# Altium PCB ST-Link-V2.1.PcbDoc
Units mil, origin at the board's own origin, x right, y up, seen from the top; angles counter-clockwise.
Board outline 1574.8 x 590.55 mil, 2 copper layers (Top Layer, Bottom Layer), stack 21 mil thick; 47 components, 38 nets, 178 pads, 68 vias.
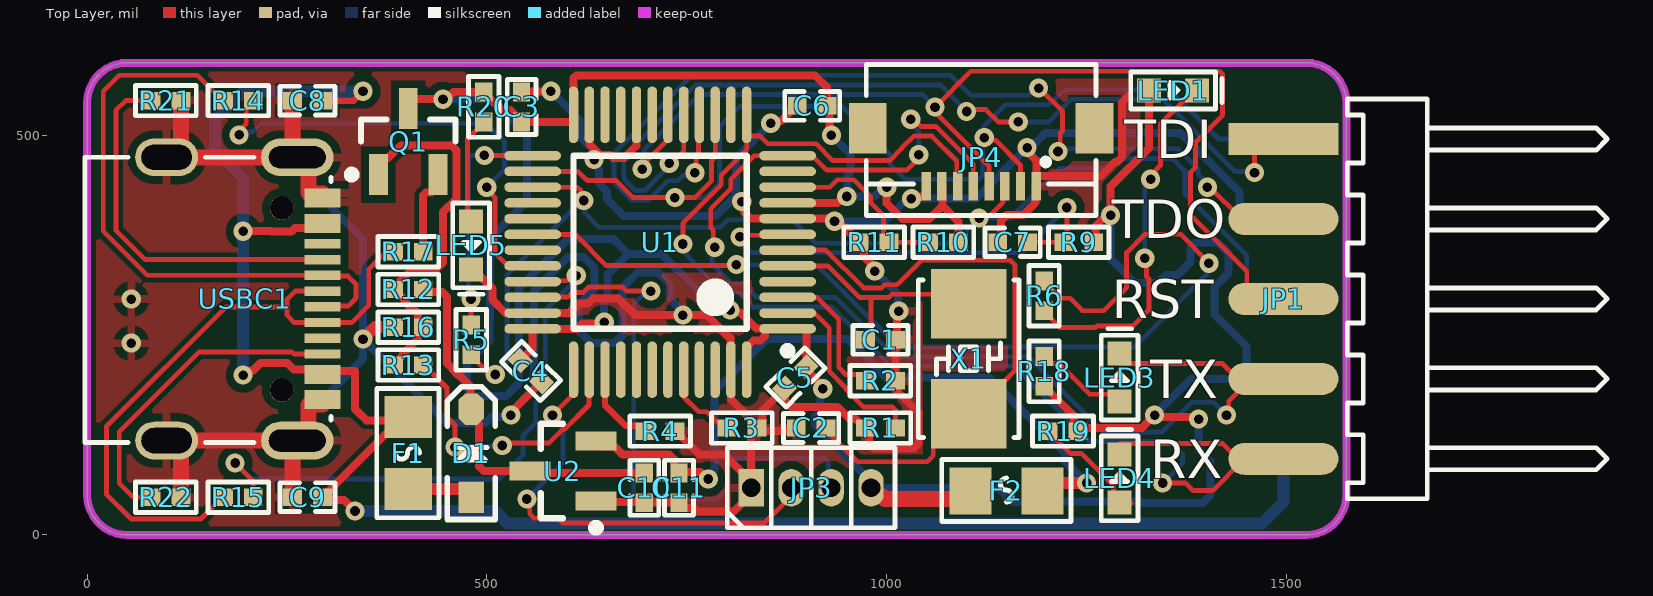
[diagram p0: Top Layer view]
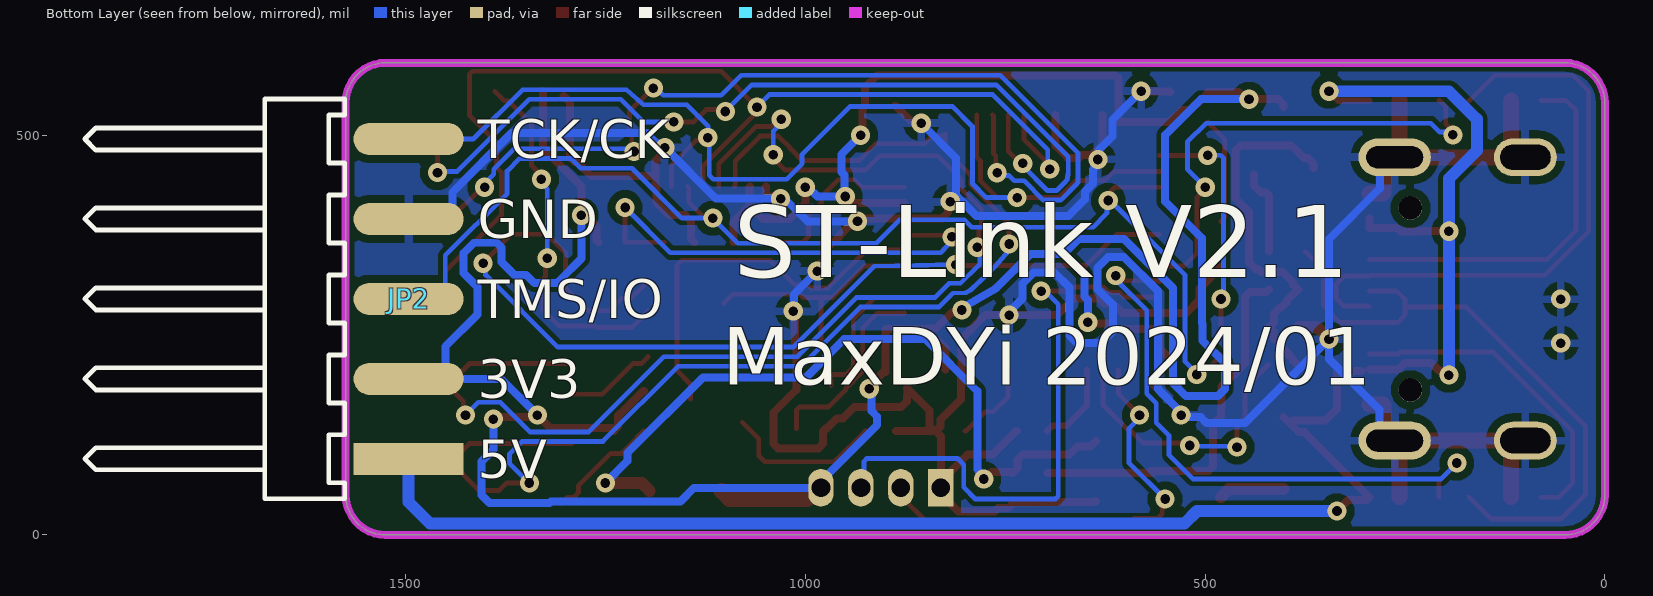
[diagram p1: Bottom Layer view, seen from below]

## Layer stack, top to bottom
Top Solder: solder mask 0.4, Solder Resist, Dk 3.5
Top Layer: signal copper 1.4
Dielectric 2: prepreg 2.8, PP-006, Dk 4.1
Dielectric 1: dielectric 12.6, FR-4, Dk 4.8
Dielectric 3: prepreg 2.8, PP-006, Dk 4.1
Bottom Layer: signal copper 1.4
Bottom Solder: solder mask 0.4, Solder Resist, Dk 3.5

## Board outline
0,50 0,540.55 cw(c50,540.55) 50,590.55 1524.8,590.55 cw(c1524.8,540.55) 1574.8,540.55 1574.8,50 cw(c1524.8,50) 1524.8,0 50,0 cw(c50,50)

## Design rules (kind name [scope] priority, off if disabled: settings)
Clearance [All] p1: gap=10 ignorepadtopadclearanceinfootprint=FALSE except(0: SMDPad-Hole THPad-Hole Via-Hole Fill-Hole Poly-Hole Region-Hole Text-Hole; 6: Arc-Arc Arc-Track Arc-SMDPad Arc-THPad Arc-Via Arc-Fill Arc-Poly Arc-Region Arc-Text Arc-Hole Track-Track Track-SMDPad Track-THPad Track-Via Track-Fill Track-Poly Track-Region Track-Text Track-Hole SMDPad-SMDPad)
MinimumSolderMaskSliver [All] p1: minsoldermaskwidth=3
PolygonConnect [All] p1: connectstyle=Relief reliefconductorwidth=10 reliefentries=4 polygonreliefangle="90 Angle" airgapwidth=10
RoutingVias [All] p1: holewidth=28 width=50 viastyle="Through Hole" minholewidth=28 minwidth=50 maxholewidth=28 maxwidth=50
SilkToSilkClearance [All] p1: silktosilkclearance=5.91
SilkToSolderMaskClearance [IsPad] p1: minsilkscreentomaskgap=0.9 clearancetoexposedcopper=TRUE
SolderMaskExpansion [All] p1: expansion=4 istentingtop=FALSE
Width [All] p1: maxlimit=30 minlimit=6 preferedwidth=6 minimp=50.000000 maximp=50.000000 favimp=50.000000
27 further rules are at their usual default settings.

## Components (designator, comment, footprint, x,y, rotation, side; value= is the part's Value field where it differs from the comment)
C1 "20pF" C0402_M 992.13,244.09 r180 top
C2 "20pF" C0402_M 905.51,133.86 r0 top
C3 "100nF" C0402_M 543.31,535.43 r270 top
C4 "100nF" C0402_M 555,205 r135 top
C5 "100nF" C0402_M 885.83,196.85 r45 top
C6 "100nF" C0402_M 906.78,536.78 r0 top
C7 "100nF" C0402_M 1157.48,366.14 r0 top
C8 "100nF" C0402_M 275.59,543.31 r180 top
C9 "100nF" C0402_M 275.59,47.24 r180 top
C10 "1uF" C0402_M 696.85,59.06 r90 top
C11 "1uF" C0402_M 740.16,59.06 r90 top
D1 "1N5819" SOD-323 480.31,102.36 r90 top
F1 "6V 100mA" F0805 401.57,102.36 r90 top
F2 "6V 100mA" F0805 1149.61,55.12 r0 top
JP1 "HDR-1X5" HDR2.54-WS-5P 1496.06,295.28 r270 top
JP2 "HDR-1X5" HDR2.54-WS-5P 1496.06,295.28 r90 bottom
JP3 "HDR-1X4" HDR1.27-LI-4P 905.51,59.06 r0 top
JP4 "CON-8P" FPC0.5-WT-8P-双侧触点 1118.11,472.44 r180 top locked
LED1 "RED" LED0603_R 1358.27,555.91 r0 top
LED3 "GREEN" LED0603_G 1291.34,196.85 r90 top
LED4 "BLUE" LED0603_B 1291.34,70.87 r90 top
LED5 "RED" LED0603_R 480.31,362.2 r270 top
Q1 "S9013" SOT23-3N 401.57,492.13 r90 top
R1 "10K" R0402_M 992.13,133.86 r0 top
R2 "10K" R0402_M 992.13,192.91 r180 top
R3 "10K" R0402_M 818.9,133.86 r0 top
R4 "4K7" R0402_M 716.54,129.92 r0 top
R5 "100R" R0402_M 480.31,244.09 r90 top
R6 "1K" R0402_M 1196.85,299.21 r270 top
R9 "100K" R0402_M 1240.16,366.14 r0 top
R10 "4K7" R0402_M 1070.87,366.14 r0 top
R11 "4K7" R0402_M 984.25,366.14 r0 top
R12 "10K" R0402_M 401.57,307.09 r0 top
R13 "100R" R0402_M 401.57,212.6 r180 top
R14 "10R" R0402_M 188.98,543.31 r0 top
R15 "10R" R0402_M 188.98,47.24 r0 top
R16 "10K" R0402_M 401.57,259.84 r0 top
R17 "1K5" R0402_M 401.57,354.33 r0 top
R18 "1K" R0402_M 1196.85,204.72 r270 top
R19 "1K" R0402_M 1220.47,129.92 r0 top
R20 "1K" R0402_M 496.06,535.43 r90 top
R21 "5.1K" R0402_M 98.43,543.31 r180 top
R22 "5.1K" R0402_M 98.43,47.24 r180 top
U1 "STM32F103CBT6" STM-LQFP48_N 716.54,366.14 r180 top locked
U2 "XC6206P332MR" SOT23-3N 595,80 r180 top
USBC1 "TYPE-C 2.0 -16P" USB-C-SMD_16P 196.85,295.28 r90 top locked
X1 "8MHz" OSC-5032-2P 1102.36,220.47 r270 top

## Footprints (in the part's own frame and the unit in brackets; to place one, negate y for a bottom-side part, rotate by r counter-clockwise, add the part's x,y. Pads: shape width x height; smd on the part's side, far side on the other; paste and mask are expansions set on the pad)
C0402_M [mm] "贴片MLCC电容"
  rect 0.6x0.55 smd: 1(-0.475,0) 2(0.475,0)
  silkscreen extent -0.87,-0.46 0.87,0.46, body extent -0.5,-0.25 0.5,0.25, height 0.5
F0805 [mm] "0805贴片自恢复保险丝(PPTC)   联系卖家 免费查找封装"
  rect 1.335x1.5 smd: 1(-1.142,0) 2(1.142,0)
  silkscreen extent -2.05,-0.97 2.05,1, body extent -1.05,-0.7 1.05,0.7, height 0.8
FPC0.5-WT-8P-双侧触点 [mm] "翻盖式 双侧触点/上下接 编带"
  rect 0.3x0.9 smd paste+0 mask+0.05: 1(-1.75,0.925) 2(-1.25,0.925) 3(-0.75,0.925) 4(-0.25,0.925) 5(0.25,0.925) 6(0.75,0.925) 7(1.25,0.925) 8(1.75,0.925)
  rect 1.2x1.6 smd paste+0 mask+0.05: 9(3.6,-0.925) 10(-3.6,-0.925)
  silkscreen extent -3.65,-2.95 3.65,1.85, body extent -3.9,-2.95 3.9,1.85, height 1.26
HDR1.27-LI-4P [mm] "直插，脚距：1.27mm  封装库来自淘宝卖家 ID：黄晶宝石"
  rect 0.8x1.2 hole 0.6: 1(-1.905,0)
  oval 0.8x1.2 hole 0.6: 2(-0.635,0) 3(0.635,0) 4(1.905,0)
  silkscreen extent -2.67,-1.27 2.67,1.27, body extent -2.54,-1.2 2.54,1.2, height 4.48
HDR2.54-WS-5P [mm] "5P卧式贴片排针2.54"
  rect 1.02x3.5 smd: 1(-5.08,0)
  oval 1.02x3.5 smd: 2(-2.54,0) 3(0,0) 4(2.54,0) 5(5.08,0)
  silkscreen extent -6.35,2.03 6.35,10.29, body extent -6.35,-0.76 6.35,10.34, height 2.59
LED0603_B [mil] "蓝色0603LED"
  rect 30x30 smd: 1(-30,0) 2(30,0)
  silkscreen extent -53,-23 61,23, body extent -31,-16 32,16, height 18
LED0603_G [mil] "绿色0603LED"
  rect 30x30 smd: 1(-30,0) 2(30,0)
  silkscreen extent -53,-23 61,23, body extent -31,-16 31,16, height 18
LED0603_R [mil] "红色0603LED"
  rect 30x30 smd: 1(-30,0) 2(30,0)
  silkscreen extent -53,-23 61,23, body extent -31,-16 32,16, height 18
OSC-5032-2P [mm] "5mm*3.2mm*0.8mm(长*宽*高)"
  rect 2.2x2.4 smd: 1(-1.75,0) 2(1.75,0)
  silkscreen extent -2.5,-1.6 2.5,1.6, body extent -2.5,-1.6 2.5,1.6, height 0.86
R0402_M [mm] "1/16W贴片电阻"
  rect 0.6x0.55 smd: 1(-0.475,0) 2(0.475,0)
  silkscreen extent -0.97,-0.48 0.97,0.48, body extent -0.5,-0.25 0.5,0.25, height 0.3
SOD-323 [mm] "1.8x1.3X0.9mm（长宽高，不包括引脚）联系卖家 免费查找封装"
  rect 1x0.8 smd: 1(-1.4,0)
  oct 1x0.8 smd: 2(1.4,0)
  silkscreen extent -2.11,-0.76 2.11,0.76, body extent -1.32,-0.65 1.32,0.65, height 0.95
SOT23-3N [mm] "SOT23, 3-Leads, Body 2.9x1.3mm, Pitch 0.95mm, Lead Span 2.4mm, IPC Medium Density  联系卖家 免费查找封装"
  rect 1.3x0.6 smd: 1(-1.05,0.95) 2(-1.05,-0.95) 3(1.05,0)
  silkscreen extent -1.17,-1.5 0.7,1.92, body extent -1.2,-1.5 1.2,1.5, height 1.05
STM-LQFP48_N [mm] "QFP, 48-Leads, Body 7x7mm, Pitch 0.5mm, IPC Medium Density封装库来自淘宝 ID：黄晶宝石"
  oval 1.8x0.3 smd: 1(-4.05,2.75) 2(-4.05,2.25) 3(-4.05,1.75) 4(-4.05,1.25) 5(-4.05,0.75) 6(-4.05,0.25) 7(-4.05,-0.25) 8(-4.05,-0.75) 9(-4.05,-1.25) 10(-4.05,-1.75) 11(-4.05,-2.25) 12(-4.05,-2.75) 25(4.05,-2.75) 26(4.05,-2.25) 27(4.05,-1.75) 28(4.05,-1.25) 29(4.05,-0.75) 30(4.05,-0.25) 31(4.05,0.25) 32(4.05,0.75) 33(4.05,1.25) 34(4.05,1.75) 35(4.05,2.25) 36(4.05,2.75)
  oval 0.3x1.8 smd: 13(-2.75,-4.05) 14(-2.25,-4.05) 15(-1.75,-4.05) 16(-1.25,-4.05) 17(-0.75,-4.05) 18(-0.25,-4.05) 19(0.25,-4.05) 20(0.75,-4.05) 21(1.25,-4.05) 22(1.75,-4.05) 23(2.25,-4.05) 24(2.75,-4.05) 37(2.75,4.05) 38(2.25,4.05) 39(1.75,4.05) 40(1.25,4.05) 41(0.75,4.05) 42(0.25,4.05) 43(-0.25,4.05) 44(-0.75,4.05) 45(-1.25,4.05) 46(-1.75,4.05) 47(-2.25,4.05) 48(-2.75,4.05)
  silkscreen extent -4.18,-2.75 2.75,3.57, body extent -4.5,-4.5 4.5,4.5, height 1.45
USB-C-SMD_16P [mm] "封装库来自淘宝ID:黄晶宝石"
  oval 1.2x2.3 hole 0.7 slot 1.8 at 90 deg: 0(-4.5,-1.675) 0(4.5,-1.675)
  oval 1.2x2 hole 0.8 slot 1.6 at 90 deg: 0(-4.5,2.475) 0(4.5,2.475)
  rect 0.3x1.15 smd: A1(3.35,-2.473) A4(2.55,-2.471) A5(1.25,-2.475) A6(0.25,-2.475) A7(-0.25,-2.473) A9(-2.55,-2.475) A12(-3.35,-2.475) B1(-3.05,-2.475) B4(-2.25,-2.475) B5(-1.75,-2.475) B6(-0.75,-2.475) B7(0.75,-2.473) B9(2.25,-2.471) B12(3.05,-2.473)
  rect 0.3x1.148 smd: A8(1.75,-2.475) B8(-1.25,-2.475)
  round 0.75 hole 0.75 unplated: ""(-2.89,-1.175) ""(2.89,-1.175)
  silkscreen extent -4.56,-2.75 4.5,5.08, body extent -4.45,-2.87 4.49,5.03, height 3.25

## Part data
C1 C2 C3 C4 C5 C6 C7 C8 C9 C10 C11: library part C, "贴片电容/MLCC电容", BOM名称=无极性贴片电容, 联系下单店铺卖家 免费帮你查找封装="联系下单店铺卖家 免费技术支持"
D1: "肖特基二极管", BOM名称=肖特基二极管, 当前库版本V2022.10.7 @淘宝卖家:黄晶宝石=最新版本发布https://shop463601444.taobao.com
F1 F2: library part FUSE-8.5*4.0*8.0, "方形保险丝", BOM名称=5*20保险丝, 联系下单店铺卖家 免费帮你查找封装="联系下单店铺卖家 免费技术支持"
JP1 JP2: library part "Header 5", "5P接插件", BOM名称=5P接插件, 封装库来自淘宝卖家ID：黄晶宝石=其他店铺购入均为盗版封装库，请立即申请退款，本店现金奖励50~200元, 联系卖家，免费查找封装=唯一出售店铺网址https://shop463601444.taobao.com
JP3: library part "Header 4", "4P接插件", BOM名称=4P接插件, 封装库来自淘宝卖家ID：黄晶宝石=其他店铺购入均为盗版封装库，请立即申请退款，本店现金奖励50~200元, 联系卖家，免费查找封装=唯一出售店铺网址https://shop463601444.taobao.com
JP4: library part "Header 8", "8P连接器", BOM名称=8P连接器, 封装库来自淘宝卖家:黄晶宝石=最新版本发布https://shop463601444.taobao.com
LED1 LED3 LED4 LED5: library part LED, "贴片LED", BOM名称=贴片LED, 封装库来自淘宝卖家：黄晶宝石=其他店铺购入均为盗版封装库，无更新权益，退款现金奖励200~1000元
Q1: library part 9013-SMD, "低频放大-NPN型", BOM名称=低频放大-NPN型, 参数=50V?0.5A?0.625W, 联系下单店铺卖家 免费帮你查找封装="联系下单店铺卖家 免费技术支持"
R1 R2 R3 R4 R5 R6 R9 R10 R11 R12 R13 R14 R15 R16 R17 R18 R19 R20 R21 R22: library part R, "贴片电阻", BOM名称=贴片电阻, 当前库版本V2022.10.7 @黄晶宝石=最新版本发布https://shop463601444.taobao.com
U1: "STM32 ARM-based 32-bit MCU Performance Line with 128 kB Flash, 20 kB Internal RAM, -40 to +85癈 Temperature, 48-Pin LQFP, Tray", ComponentLink1Description="Manufacturer URL", ComponentLink1URL=http://www.st.com/, ComponentLink2Description="STM32F103 Datasheet", ComponentLink2URL=http://www.st.com/internet/com/TECHNICAL_RESOURCES/TECHNICAL_LITERATURE/DATASHEET/CD00161566.pdf, ComponentLink3Description="STM32 Family Web Page", ComponentLink3URL=www.st.com/stm32, DatasheetVersion="rev13.0, Apr-2011", PackageDescription="48-Pin Low-Profile Quad Flat Pack, 7 x 7 mm Body, 0.5 mm Pitch (LQFP48)", PackageReference=LQFP48, PackageVersion="rev13, Apr-2011", 封装库来自淘宝卖家：黄晶宝石=最新版本发布https://shop463601444.taobao.com
U2: "LDO 3.3V/0.25A", 当前库版本V2022.10.7 @淘宝卖家:黄晶宝石=最新版本发布https://shop463601444.taobao.com
USBC1: library part USB2.0_Type-C_16Pin, "USB2.0_Type-C_16Pin母座", 当前库版本V2022.10.7 @淘宝卖家:黄晶宝石=最新版本发布https://shop463601444.taobao.com
X1: library part XTAL-2P, "2脚无源晶振(谐振器）", BOM名称=2脚无源晶振(谐振器）, 当前库版本V2022.10.7 @黄晶宝石=最新版本发布https://shop463601444.taobao.com

## Via types
v1: diameter 24, hole 12, Top Layer to Bottom Layer, tented both sides, 68 vias

## Nets (pads, with @x,y where several pads share a name; then routed paths per layer and width w, separated by ;. In a path a pad name is that pad's centre, name@x,y a point inside that pad or via, vN(x,y) a via of type N, cw(c..) or ccw(c..) an arc to the next point about the centre after c; other vN are vias at no path point)
3V3: C3.2 C4.2 C5.2 C6.2 F2.1 JP2.2 JP3.4 JP4.7 LED1.1 Q1.3 R9.2 R10.2 R18.2 R19.2 R20.2 U1.1 U1.9 U1.24 U1.36 U1.48 | length 4458.3
  Top Layer w6: v1(1335,150) v1@1337.5,147.5 ; v1@1387.5,147.5 v1(1390,145)
  Top Layer w10: Q1.3@401.57,535.43 401.57,538.19 408.39,545 v1(445,545) 448.79,545 457.92,554.13 R20.2 496.06,553.15 509.67,539.54 511.45,539.54 519.67,531.32 529.7,531.32 543.31,517.72 C3.2 607.43,516.73 608.27,517.57 U1.24 608.27,571.49 611.78,575 910,575 925.48,559.52 C6.2 928.12,534.14 928.12,502.64 v1(930.75,500) ; C4.2 557.09,233.53 U1.36 613,257.87 619.62,264.5 645.03,264.5 v1(646.62,266.09) ; v1(804.09,281.4) 806.77,278.73 813.25,278.73 813.49,278.49 816.51,278.49 837.01,257.99 846.96,257.99 847.08,257.87 U1.1@850.38,257.87 ; U1.48 824.8,234.65 833.6,243.45 842.18,243.45 847.7,248.97 847.7,255.19 U1.1@850.38,257.87 ; U1.9 938.21,415.35 946.21,423.36 v1(950,423.36) ; v1(920,183) 920,186.06 901.64,204.42 900.13,204.42 899.75,204.04 899.75,257.04 898.91,257.87 U1.1 U1.1@850.38,257.87 ; v1(1000,435) 1000,415 1020,395 1052.7,395 1069.62,411.92 ; JP4.7 1069.62,435.3 1069.62,411.92 ; R10.2 1089.57,391.97 1069.62,411.92 ; R18.2@1201.77,180.12 1202.68,179.21 1203.66,179.21 1224.58,158.29 1234.14,148.74 1234.14,135.75 1235.91,133.97 R19.2@1238.24,133.97 ; R19.2 1243.22,133.97 1318.97,133.97 v1(1335,150) ; R9.2 1260.85,368.13 1260.85,386.11 1272.06,397.32 1277.32,397.32 v1(1280,400) 1280,435.71 1328.26,483.97 LED1.1@1328.26,555.12 ; v1@1337.5,147.5 v1@1387.5,147.5
  Top Layer w20: JP3.4 980.51,54.29 985.82,48.98 993.99,48.98 997.98,45 1094.51,45 F2.1
  Bottom Layer w10: v1(445,545) 505,545 550,500 550,417.34 503.9,371.24 503.9,265.03 503,264.13 503,243 475,215 475,182.79 483.79,174 524,174 540,190 540,308.9 601.23,370.13 658.1,370.13 663.23,365 676.62,351.62 ; v1(646.62,266.09) 646.62,293.99 650.73,298.09 650.73,325.73 676.62,351.62 ; v1(804.09,281.4) 804.09,284.09 762.61,307.88 760.51,309.49 718.38,351.62 676.62,351.62 ; v1(920,183) 917.32,180.32 917.32,155.32 910,148 910,137.44 980.51,66.93 JP3.4 1139.12,59.06 1156.17,42 1318,42 1320,40 1395,40 1405,50 1405,91.96 1390,106.96 v1(1390,145) ; v1(930.75,500) 954.65,476.11 954.65,453.95 951.05,450.36 951.05,424.41 v1(950,423.36) ; v1@950,425 951.64,423.36 984.57,423.36 996.21,435 v1(1000,435) ; v1(1280,400) 1280,345.71 1307.79,317.93 1310.71,315 1338.94,315 1348.98,325.03 1363.6,325.03 1380,341.43 1380,359.66 1385.86,365.52 1414.48,365.52 1427.51,352.49 1427.51,327.51 1410,310 1410,275.88 1450.24,235.64 1450.24,211.05 JP2.2@1466.02,195.28 ; v1(1335,150) 1380.28,195.28 JP2.2@1466.02,195.28 ; JP2.2 JP2.2@1466.02,195.28
5V: C10.2 D1.2 R12.2 U2.3 | length 477.4
  Top Layer w10: R12.2 423.6,303.76 444.14,303.76 450,297.9 450,215 455.99,209.01 455.99,207.99 463.9,200.08 464.92,200.08 479.23,185.77 479.23,158.57 D1.2 480.31,148.6 490,138.91 490,85.86 495.86,80 567.44,80 565.2,77.76 C10.2
AIN: R10.1 R11.2 U1.10 | length 232.3
  Top Layer w6: U1.10 928.79,435.04 938.11,444.36 958.7,444.36 979.73,423.33 979.73,415.47 996.11,399.09 996.11,372.98 R11.2 R10.1
GND: C1.1 C2.1 C3.1 C4.1 C5.1 C6.1 C7.1 C8.2 C9.2 C10.1 C11.1 JP2.4 JP3.1 JP4.1 JP4.8 LED5.2 R1.1 R2.1 R3.2 R4.2 R11.1 R16.1 R21.1 R22.1 U1.8 U1.20 U1.23 U1.35 U1.47 U2.1 USBC1.0 USBC1.A1 USBC1.A12 USBC1.B1 USBC1.B12 | length 5595.6
  Top Layer w6: USBC1.0@99.4,472.44 USBC1.0@99.92,472.44
  Top Layer w10: LED5.2@480.31,335.1 507,308.41 507,293.9 522.99,277.91 556.74,277.91 U1.35 603.41,277.56 615.3,289.45 626.22,289.45 632.78,296 664,296 685,275 v1(745,275) 745.18,275.18 774.82,275.18 804.77,245.23 804.77,207.04 805.46,206.35 805.46,169.54 830.79,144.21 830.79,135.75 R3.2@836.61,129.92 ; v1(530,150) 530,153.55 C4.1 ; C3.1 543.74,554.57 579.57,554.57 v1(580,555) ; U1.23 628.3,525.24 628.3,488.59 v1@641.35,475.54 ; v1(634.01,469.69) 635.5,469.69 v1@641.35,475.54 ; U2.1 637.46,41.48 707.54,41.48 708.66,40.35 C11.1 740.16,39.37 745.98,33.54 758.65,33.54 763.06,29.14 808.47,29.14 830.51,51.18 JP3.1 JP3.1@830.51,66.93 ; U1.20 686.75,525.34 686.75,486.75 671.72,471.72 657.45,471.72 653.63,475.54 v1@641.35,475.54 ; R4.2 736.22,129.92 765.26,100.89 796.56,100.89 JP3.1@830.51,66.93 ; v1(818.6,416.93) 821.27,414.25 821.27,403.73 828.98,396.02 875.64,396.02 U1.8 927.58,395.67 930.89,392.35 v1(934.68,392.35) ; v1(855,515) 857.68,517.68 867.99,517.68 887.09,536.78 C6.1 ; C2.1@886.81,129.92 R3.2@838.58,129.92 ; v1@936.02,395.67 957.74,373.95 957.74,372.97 964.57,366.14 965.74,366.14 971.57,360.31 971.57,348.31 982.32,337.55 982.32,332.68 v1(985,330) ; v1(1015,280) 1012.91,277.91 1012.91,234.37 1010.83,232.28 1010.83,181.1 1011.81,181.1 1040,152.91 1040,114.28 1034.14,108.43 983.56,108.43 977.7,114.28 977.7,129.58 R1.1 972.44,133.86 960.3,146 952.64,146 938.64,160 880,160 872.75,167.25 872.75,173.85 871.91,174.69 871.91,182.93 C5.1 844.41,155.43 844.41,135.75 R3.2@838.58,129.92 ; v1(1030.83,420.65) 1033.48,423.31 1048.3,423.31 1049.21,424.21 JP4.8 ; C7.1 1142.97,370.33 1142.97,392.97 1150,400 1170.47,400 1186.1,415.63 JP4.1@1186.1,436.03 ; v1(1175.57,484.53) 1175.57,479.66 1187.01,468.22 JP4.1@1187.01,447.84 ; JP4.1 JP4.1@1187.01,447.84 ; 1302.26,548.92 1294.47,541.12 1294.47,472.8 1288.02,466.36 1285.19,466.36 1267.58,448.74 1187.91,448.74 JP4.1@1187.01,447.84 ; JP3.1@830.51,66.93 830.51,122.83 830.79,123.11 830.79,124.09 R3.2@836.61,129.92 ; R3.2@836.61,129.92 R3.2@838.58,129.92
  Top Layer w15: v1(345,245) 359.84,259.84 R16.1
  Top Layer w20: R22.1 117.13,100.9 99.92,118.11 99.4,118.11 USBC1.0@262.79,118.11 ; R21.1 117.13,489.64 99.92,472.44 USBC1.0@262.79,472.44 ; C9.2 256.89,112.21 USBC1.0@262.79,118.11 ; C8.2 256.89,478.34 USBC1.0@262.79,472.44 ; USBC1.A1 277.49,427.17 276.59,428.07 276.59,458.64 USBC1.0@262.79,472.44 ; USBC1.A12 277.55,163.39 276.65,162.48 276.65,131.97 USBC1.0@262.79,118.11
  Bottom Layer w10: USBC1.0@262.79,118.11 269.11,118.11 281.69,130.7 281.69,156.69 345,220 v1(345,245) ; USBC1.0@262.79,472.44 268.83,472.44 281.41,459.86 281.41,433.59 345,370 v1(345,245) ; v1(580,555) 615.98,519.02 615.98,498.3 632.83,481.46 632.83,470.88 v1(634.01,469.69) ; v1@638.18,467.83 638.18,458.7 640.05,456.84 640.05,439.72 650.16,429.61 650.16,419.84 671,399 785.77,399 809.44,422.67 810.79,422.67 v1@811.67,423.56 ; v1(745,275) 745,278.79 728.18,295.61 728.18,314.35 714.53,328 688,328 669.62,309.62 669.62,249.62 660,240 630,240 615,255 615,288.03 634.73,307.76 634.73,333.97 621.25,347.45 601.18,347.45 559,305.27 559,182.55 530,153.55 v1(530,150) 527.32,147.32 505.32,147.32 498,140 450,140 v1(345,245) ; v1(818.6,416.93) 818.6,417.74 812.78,423.56 v1@811.67,423.56 ; v1(855,515) 811.67,471.67 v1@811.67,423.56 ; v1(934.68,392.35) 997.35,392.35 1025.65,420.65 1111.7,420.65 v1(1175.57,484.53) 1179.36,484.53 1186.02,491.18 1187.1,491.18 1198.58,502.67 1367.33,502.67 1441.34,428.66 1441.34,416.21 1441.47,416.08 1441.47,409.21 1455.4,395.28 JP2.4 ; v1(985,330) 1014,301 1014,281 v1(1015,280)
  other v1: 55,240 55,295
LED_STLINK: R6.1 U1.30 | length 1258.1
  Top Layer w6: U1.30 610.23,375.98 649.21,337 810.83,337 v1(812.01,338.18) ; R6.1 1196.85,316.93 1211.46,302.32 1211.82,302.32 1218.04,296.1 1229.49,296.1 1244.09,281.5 1244.09,280.51 1271.31,280.51 1300,309.2 1300,353.15 1323,376.15 1367.56,376.15 1402.95,340.76 v1(1402.95,339.87)
  Bottom Layer w6: v1(812.01,338.18) 913.91,336.09 1015,235 1309.46,235 1399.79,325.33 1399.79,336.71 v1(1402.95,339.87)
NetC11_2: C11.2 F2.2 U2.2 | length 912.4
  Top Layer w10: U2.2 643.15,110.59 659.41,110.59 669.43,100.57 727.91,100.57 734.33,94.14 734.33,83.58 C11.2 741.28,78.88 767.33,78.88 776.21,70 v1(776.76,70)
  Top Layer w15: F2.2 1204.47,65 v1(1250,65)
  Bottom Layer w10: v1(776.76,70) 776.76,73.79 784.83,81.86 784.83,179.83 850,245 951.26,245 999.26,197 1128,197 1222.52,102.48 1222.52,92.48 v1(1250,65)
NetD1_1: D1.1 F1.1 | length 82.9
  Top Layer w15: F1.1 470.18,57.38 D1.1
NetLED1_2: LED1.2 R6.2 | length 455
  Top Layer w6: R6.2 1196.85,279.53 1216.68,259.7 1261.35,259.7 1262.92,261.28 1307.59,261.28 1327.9,281.59 1327.9,320.25 1324.9,323.25 1324.9,344.04 v1(1322.74,346.2) ; v1(1330,445) 1330,449.87 1342.26,462.14 1342.26,514.05 1371.34,543.12 1376.26,543.12 LED1.2@1388.26,555.12
  Bottom Layer w6: v1(1322.74,346.2) 1322.74,432.87 1330,440.13 v1(1330,445)
NetLED3_1: LED3.1 R18.1 | length 114.7
  Top Layer w6: R18.1 1196.85,222.44 1204.68,214.61 1215.39,214.61 1253.96,176.04 LED3.1@1291.34,176.04
NetLED4_1: LED4.1 R19.1 | length 147.1
  Top Layer w6: R19.1 1202.76,129.92 1210.58,122.09 1210.58,121.11 1229.69,102 1243,102 1283.65,61.35 1283.65,52.86 1289.25,47.26 1297.74,47.26 LED4.1@1305.76,39.24
NetLED5_1: LED5.1 R20.1 | length 134.8
  Top Layer w6: LED5.1 475.79,396.74 475.79,495.47 496.06,515.75 R20.1
NetQ1_1: Q1.1 R12.1 R13.2 R16.2 | length 467.4
  Top Layer w10: Q1.1@364.17,459.27 364.17,464.57 370.98,471.38 376.28,471.38 392.28,487.38 455.34,487.38 461.79,480.93 461.79,420.64 445,403.85 445,340.86 436.64,332.5 433.81,332.5 430.22,328.91 402.92,328.91 389.69,315.67 389.69,312.91 R12.1@383.86,307.09 ; R13.2 383.86,212.6 389.69,218.43 389.69,219.41 395,224.72 395,226.5 413.46,244.97 413.46,254.02 419.29,259.84 R16.2 419.59,259.84 413.76,265.67 413.76,277.18 405.69,285.26 403.91,285.26 397.46,291.7 397.46,293.48 R12.1@383.86,307.09 ; R12.1 R12.1@383.86,307.09
NetQ1_2: Q1.2 R17.2 | length 107.9
  Top Layer w10: R17.2 420.28,424.68 423.79,428.2 430.17,428.2 438.98,437.01 Q1.2
NetR1_2: R1.2 U1.2 | length 241.6
  Top Layer w6: U1.2 876.33,277.21 910.08,277.21 928,259.29 928,204.7 949.49,183.21 949.49,181.49 970.97,160 1007.31,160 1010.83,156.49 R1.2@1010.83,132.87
NetR2_2: R2.2 U1.3 | length 181.9
  Top Layer w6: U1.3 876.33,296.9 913.02,296.9 940,269.92 940,209.67 948.93,200.74 965.6,200.74 R2.2 ; R2.2@967.6,186.93 R2.2@967.6,192.91
NetR3_1: R3.1 U1.44 | length 105.7
  Top Layer w6: U1.44 746.41,206.35 746.41,172.6 764.83,154.17 774.96,154.17 799.21,129.92 R3.1@800.2,129.92
NetR4_1: R4.1 U1.39 | length 108
  Top Layer w8: U1.39 647.64,162.36 673.25,136.75 691.01,136.75 R4.1
OSC_8M_IN: C1.2 U1.5 X1.1 | length 307.4
  Top Layer w6: U1.5 926.42,336.61 966.03,297 1002.3,297 1006.3,301 1090.73,301 X1.1 ; C1.2@980.24,239.09 980.24,296.49 980.75,297
OSC_8M_OUT: C2.2 U1.6 X1.2 | length 699.3
  Top Layer w6: U1.6 923.7,356.3 971,309 993.7,309 997.7,313 1013,313 1043.68,343.68 1154.16,343.68 1160.61,337.23 1160.61,205.88 1143.52,188.79 X1.2@1143.52,169.75 ; C2.2@924.21,129.92 925.2,129.92 963.44,91.68 1050.77,91.68 1058.12,99.02 1058.12,120.28 X1.2@1078.94,141.1
ST_RST: C7.2 R9.1 U1.7 | length 598
  Top Layer w6: v1(816.49,372.83) 818.53,374.87 874.87,374.87 U1.7 ; C7.2 1225.39,366.14 v1(1225.39,409.61) v1@1225,410
  Bottom Layer w6: v1(816.49,372.83) 816.49,367.96 826.35,358.09 826.35,357.24 830.6,353 1168.79,353 v1(1225.39,409.61)
ST_SWCLK: JP3.2 U1.37 | length 572.8
  Top Layer w6: v1(550,45) 553.44,41.56 553.44,26.56 559.06,20.94 588.75,20.94 594.69,15 847.04,15 880.51,48.47 JP3.2 ; v1(582,150) 582,150.45 608.27,176.72 U1.37
  Bottom Layer w6: v1(550,45) 595,90 595,133.3 582,146.3 v1(582,150)
ST_SWDIO: JP3.3 U1.34 | length 741.7
  Top Layer w6: U1.34 557.43,297.59 600.82,297.59 606.67,303.45 620.43,303.45 626.98,310 669.8,310 674.8,305 v1(705,305)
  Bottom Layer w6: v1(705,305) 700.13,305 688.2,293.07 688.07,293.07 683.62,288.62 683.62,48.51 687.14,45 787.12,45 801.76,59.64 801.76,88.06 809.38,95.68 922.88,95.68 926.4,92.16 926.4,63.17 JP3.3
ST_USB_DN: R14.2 U1.32 | length 604.7
  Top Layer w6: v1(190,500.44) 190,505.31 198.87,514.18 198.87,535.48 206.69,543.31 R14.2 ; v1(499.65,435) 499.65,432.83 510,422.48 510,352.78 526.16,336.61 U1.32
  Bottom Layer w6: v1(190,500.44) 193.44,503.89 206.32,503.89 217.43,515 498.64,515 522,491.64 522,457.35 v1(499.65,435)
ST_USB_DP: R15.2 U1.33 | length 742.7
  Top Layer w6: v1(185,90) 207.68,67.32 R15.2 ; U1.33 558.2,318.04 600.45,318.04 606.86,324.45 v1(611.73,324.45)
  Bottom Layer w6: v1(185,90) 205,70 515,70 545,100 545,124.3 561,140.3 561,164.75 573,176.75 573,280.85 611.73,319.58 v1(611.73,324.45)
STLINK_RX: JP1.5 JP4.6 LED4.2 U1.13 | length 1625.9
  Top Layer w6: v1(745,364) 745,390 793,438 793,449.97 824.8,481.77 824.8,499.06 824.8,501.75 827.49,499.06 841.24,499.06 850.99,489.31 911.74,489.31 932.69,468.36 1003.73,468.36 1018.93,483.56 1018.93,484.18 1033.74,499 1056.44,499 1087.67,467.77 1087.67,436.93 JP4.6 ; LED4.2@1291.34,114.51 1419.85,114.51 1439.08,95.28 JP1.5@1447.39,95.28 ; v1(1345,65) 1373.99,65 1383.49,55.5 1407.61,55.5 JP1.5@1447.38,95.28 ; JP1.5 JP1.5@1447.39,95.28
  Bottom Layer w6: v1(745,364) 745,356.11 763,335.63 773.54,325.09 792.14,307.08 799.26,303 815.48,302.4 832.88,285 931.06,285 1005.06,211 1159,211 1253,117 1354.25,117 1370,101.25 1370,90 v1(1345,65)
STLINK_TX: JP1.4 JP4.5 LED3.2 U1.12 | length 1584.6
  Top Layer w6: v1(785,360) 783,362 783,381 780,384 780,408.03 805,433.03 805,445 834.41,474.41 906.91,474.41 924.96,456.36 1025.11,456.36 1039.93,471.18 v1(1039.93,475.48) ; v1(1030,520) 1033.51,520 1042.51,511 1061.41,511 1108.27,464.15 JP4.5 ; LED3.2@1291.34,214.51 1419.85,214.51 1439.08,195.28 JP1.4@1452.36,195.28 ; v1(1425,150) 1427.68,152.68 1427.68,167.55 1452.36,192.24 JP1.4@1452.36,195.28 ; JP1.4 JP1.4@1452.36,195.28
  Bottom Layer w6: v1(785,360) 781.56,356.56 781.56,338.54 783.34,336.75 805.85,314.89 808.16,314.81 820.45,314.4 837.85,297 936.03,297 1010.03,223 1177,223 1271,129 1344.3,129 1381.3,166 1409,166 v1(1425,150) ; v1(1030,520) 1030,515.13 1039.93,505.2 v1(1039.93,475.48)
T_JTCK: JP2.5 JP4.2 U1.15 U1.26 | length 1418.4
  Top Layer w6: U1.26 613.63,454.72 623.66,444.69 624.72,444.69 626.21,443.2 661.8,443.2 683,422 v1(735,422) ; v1@736,421 737,422 760.03,422 781,442.97 781,467.84 785.43,472.27 U1.15 ; v1(1122.04,497.04) 1125.43,493.65 1136.35,493.65 1167.32,462.68 JP4.2
  Bottom Layer w6: v1(735,422) 773.49,422 790.85,439.36 790.85,510.85 816,536 944,536 1004,476 1004,464.23 1023.23,445 1115,445 1120,450 1120,495 v1(1122.04,497.04) ; v1@1121.35,496.35 1121.35,511.35 1148,538 1199.84,538 1202.16,538 1203.82,539.51 1223.52,557 1353.63,557 1415.35,495.28 JP2.5
T_JTDI: JP1.1 U1.17 | length 1141.5
  Top Layer w6: v1(728.03,464.7) 730.7,464.7 746.06,480.06 U1.17 ; v1(1099.91,529.63) 1102.38,532.1 1124,532.1 1139.45,516.65 v1(1164.43,516.65) ; v1(1460,453.2) 1460,478.2 1477.08,495.28 JP1.1
  Bottom Layer w6: v1(728.03,464.7) 728.03,461.7 697.21,430.88 685.66,430.88 675.77,440.77 672.77,443.77 671.4,451.52 671.01,451.9 671.01,472.98 761.03,563 1067,563 1099.91,530.09 v1(1099.91,529.63) ; v1(1164.43,516.65) 1187.7,516.65 1202.67,516.67 1231,545 1345,545 1435.34,454.66 1458.54,454.66 v1(1460,453.2)
T_JTDO: JP1.2 U1.16 | length 1242.5
  Top Layer w6: v1(760,453.11) 761.64,454.75 761.64,474.11 764.64,477.11 764.64,524.48 U1.16 ; v1(1190,559) 1191,559 1220,530 1220,505.67 1217,502.67 1217,482.44 v1(1214.22,479.67) ; v1(1401,435) 1404.26,435 1443.98,395.28 JP1.2
  Bottom Layer w6: v1(760,453.11) 756.56,449.67 745.37,449.67 738.7,443 726.3,443 702.18,418.88 680.69,418.88 660.77,438.8 659.01,440.56 659.01,477.95 756.06,575 1080,575 1105,550 1177.49,550 1186.49,559 v1(1190,559) ; v1(1214.22,479.67) 1217.56,483 1364.12,483 1389.59,457.53 1389.59,451.28 1401,439.87 v1(1401,435)
T_JTMS: JP2.3 JP4.3 R5.1 U1.27 | length 1510.1
  Top Layer w6: R5.1 480.31,224.41 500.57,204.16 506.91,204.16 v1(510.35,200.71) ; U1.27 613.02,435.04 617.6,430.46 617.6,421.78 v1(621.04,418.34) ; v1(1115.54,396.35) 1118.6,399.41 1129.1,399.41 1145.73,416.05 1145.73,434.12 JP4.3
  Bottom Layer w6: v1(510.35,200.71) 510.35,201.96 525,216.61 525,325 618.34,418.34 v1(621.04,418.34) 622.7,416.68 622.7,402.3 640,385 791.57,385 800.94,394.37 882.04,394.37 911.41,365 1084.19,365 v1(1115.54,396.35) 1154.38,396.35 1216.7,458.67 1280.76,458.67 1293.09,471 1357.15,471 1373,455.15 1373,427 1450.24,349.76 1450.24,311.05 1466.02,295.28 JP2.3
T_NRST: JP1.3 JP4.4 U1.18 | length 1375.2
  Top Layer w6: v1(694.26,457.63) 694.26,462.38 726.38,494.49 U1.18 ; v1(1060.41,535.21) 1105.21,580 1416.49,580 1420,576.49 1420,525 1386.3,491.3 1386.3,460 1380,453.7 1380,400 1450.24,329.76 1450.24,311.05 1466.02,295.28 JP1.3 ; v1@1060.62,535 1063.85,531.76 1063.85,525.53 1127.95,461.44 JP4.4
  Bottom Layer w6: v1(694.26,457.63) 696.63,460 696.63,481.63 766,551 1044.62,551 v1(1060.41,535.21)
T_SWDIO_IN: R5.2 U1.25 | length 291.8
  Top Layer w6: v1(480,295.21) 480,263.11 R5.2 ; v1(496.79,474.7) 496.94,474.56 556.94,474.56 U1.25
  Bottom Layer w6: v1(480,295.21) 476.92,298.29 476.92,471.38 478.67,473.14 480.43,474.9 496.59,474.9 v1(496.79,474.7)
USB_CC1: R21.2 USBC1.A5 | length 472.3
  Top Layer w6: R21.2 48.31,543.31 36,531 36,380.97 72.48,344.49 USBC1.A5
USB_CC2: R22.2 USBC1.B5 | length 407.9
  Top Layer w6: R22.2 57.76,47.24 40,65 40,129.07 139.93,229 256.07,229 258.69,226.38 USBC1.B5
USB_DN: R14.1 USBC1.A7 USBC1.B7 | length 754.3
  Top Layer w6: R14.1 169.29,543.31 137.6,575 40,575 20,555 20,380 75.19,324.81 USBC1.B7 295.11,323.91 326.09,323.91 336.19,313.81 336.19,296.19 326.34,286.34 295.13,286.34 USBC1.A7
USB_DP: R15.1 R17.1 USBC1.A6 USBC1.B6 | length 803.5
  Top Layer w6: R15.1 169.29,47.24 142.05,20 55,20 24,51 24,135.7 173.3,285 250,285 ; USBC1.A6 260.12,305.12 250,295 250,285 ; R17.1@375,354.33 374.02,354.33 352.19,332.5 352.19,287.19 330.75,265.75 USBC1.B6 259.25,265.75 250,275 250,285
USB_RENUMn: R13.1 U1.38 | length 353.3
  Top Layer w6: R13.1 421.26,212.6 450,183.86 450,147.51 460,137.51 v1(460,110) ; v1(519.15,111.92) 522.23,115 577.51,115 594.3,131.78 596.78,131.78 627.61,162.61 627.61,206.35 U1.38
  Bottom Layer w6: v1(460,110) 460.96,110.96 518.19,110.96 v1(519.15,111.92)
VBUS: C8.1 C9.1 F1.2 JP2.1 USBC1.A4 USBC1.A9 USBC1.B4 USBC1.B9 | length 2380.7
  Top Layer w8: C8.1 333.31,543.31 v1(345,555)
  Top Layer w10: v1(195,200) 198.79,200 204.57,205.78 207.4,205.78 216.62,215 250.27,215 258.58,206.69 USBC1.B4 ; v1(195,380) 230.06,380 230.78,379.29 255.43,379.29 260,383.86 USBC1.B9 USBC1.A4 ; USBC1.B4@304.4,205 334.42,205 335,204.42 335,157.58 349.17,143.41 F1.2@390.45,143.41 ; v1(335,30) 321.1,43.9 297.64,43.9 C9.1 295.28,47.24 298.6,50.57 298.6,51.56 375.61,128.56 382.8,128.56 F1.2
  Bottom Layer w15: v1(195,200) v1(195,380) 195,445.79 160,480.79 160,520 195,555 v1(345,555) ; v1(335,30) 510,30 525.8,14.2 1469.2,14.2 1496.06,41.06 JP2.1
pads on no net: JP4.9 JP4.10 U1.4 U1.11 U1.14 U1.19 U1.21 U1.22 U1.28 U1.29 U1.31 U1.40 U1.41 U1.42 U1.43 U1.45 U1.46 USBC1. USBC1.A8 USBC1.B8

## Polygon pours and split planes (outlines as drawn)
GND on Bottom Layer "GND_L02_P000" (solid, remove dead copper, pour order 0): 0,595 1570,595 1570,0 0,0
GND on Top Layer "GND_L01_P001" (solid, remove dead copper, pour order 1): 0,0 0,595 1570,595 1570,0

## Keep-outs
Keep-Out Layer:
  the board outline again, w10

## Silkscreen, mask and mechanical layers (free items; w line width, h text height)
Top Overlay:
  text "TDI" at 1297.36,471.28 h48
  text "TDO" at 1281.36,371.28 h48
  text "RST" at 1281.36,271.28 h48
  text "TX" at 1329.35,171.28 h48
  text "RX" at 1329.35,71.28 h48
Bottom Overlay:
  text "TCK/CK" at 1409.32,471.28 h48
  text "GND" at 1409.32,371.28 h48
  text "ST-Link V2.1" at 1089.37,322.09 h90
  text "TMS/IO" at 1409.32,271.28 h48
  text "MaxDYi 2024/01" at 1103.72,187.64 h72
  text "3V3" at 1409.32,171.28 h48
  text "5V" at 1409.32,71.28 h48